# Altium PCB PCB_3_3G_wireless.PcbDoc (part 4 of 6) (continued)
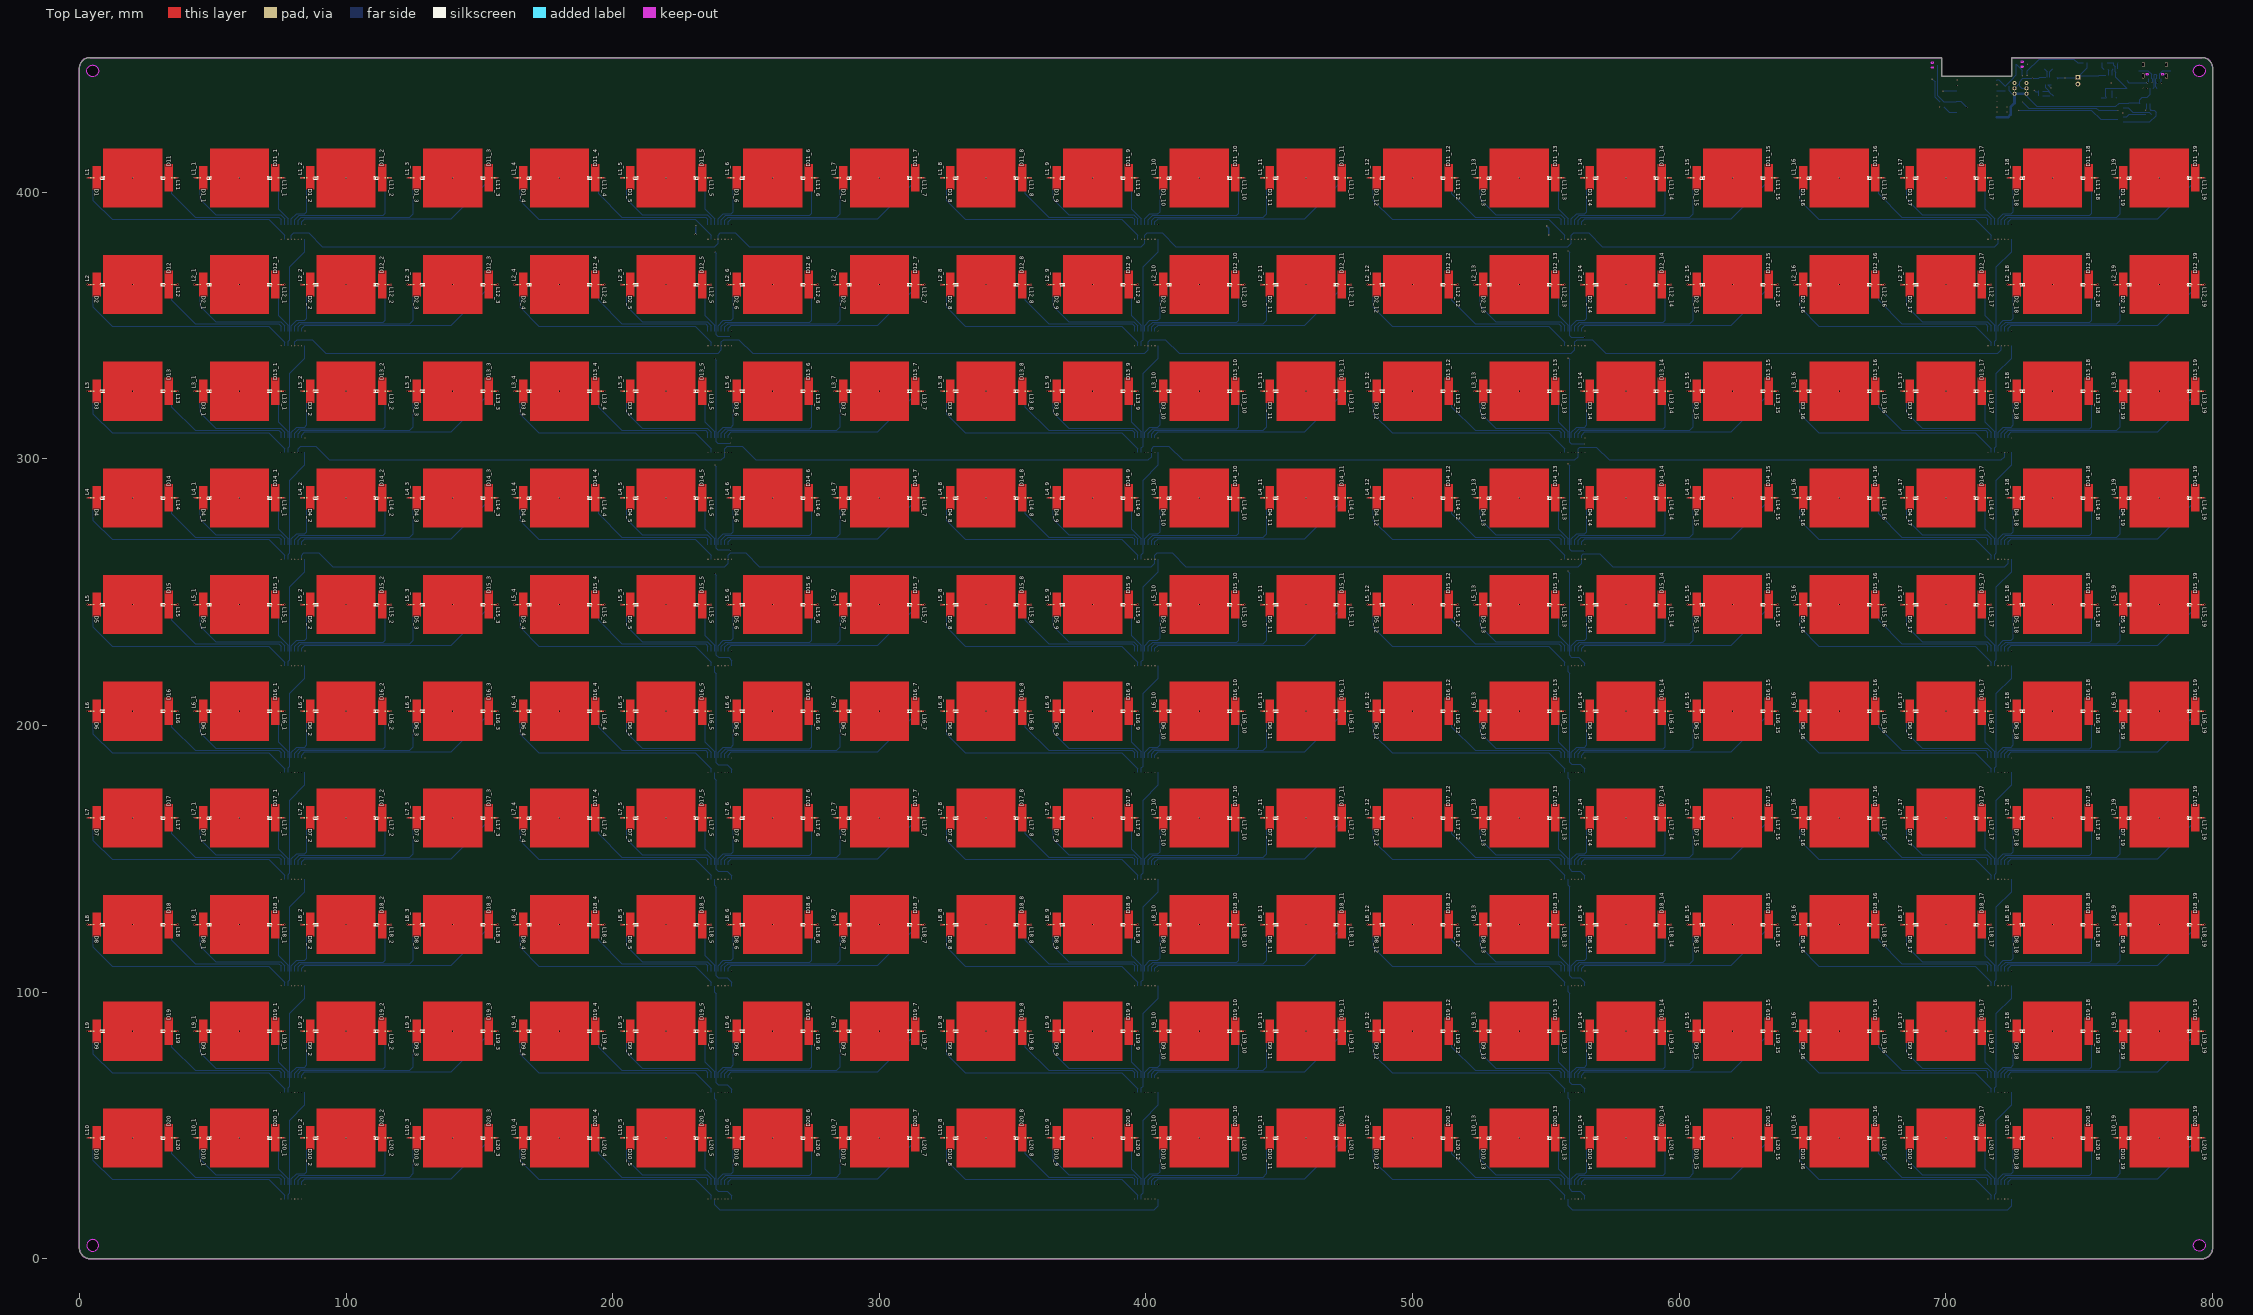
[diagram p0: Top Layer view]
## Nets (pads, with @x,y where several pads share a name; then routed paths per layer and width w, separated by ;. In a path a pad name is that pad's centre, name@x,y a point inside that pad or via, vN(x,y) a via of type N, cw(c..) or ccw(c..) an arc to the next point about the centre after c; other vN are vias at no path point) (continued)
NewNet672: BR2_3_5_5.2 L7_16.1 | length 1.2
  Bottom Layer w0.254: v1(643.1,165.308) BR2_3_5_5.2@644.276,165.308
NewNet673: BR2_3_5_4.2 L6_16.1 | length 1.2
  Bottom Layer w0.254: v1(643.1,205.308) BR2_3_5_4.2@644.276,205.308
NewNet674: BR2_3_5_3.2 L5_16.1 | length 1.2
  Bottom Layer w0.254: v1(643.1,245.308) BR2_3_5_3.2@644.276,245.308
NewNet675: BR2_3_5_2.2 L4_16.1 | length 1.2
  Bottom Layer w0.254: v1(643.1,285.308) BR2_3_5_2.2@644.276,285.308
NewNet676: BR2_3_5_1.2 L3_16.1 | length 1.2
  Bottom Layer w0.254: v1(643.1,325.308) BR2_3_5_1.2@644.276,325.308
NewNet677: BR2_3_5.2 L2_16.1 | length 1.2
  Bottom Layer w0.254: v1(643.1,365.308) BR2_3_5.2@644.276,365.308
NewNet678: BR2_3.2 L1_16.1 | length 1.2
  Bottom Layer w0.254: v1(643.1,405.308) BR2_3.2@644.276,405.308
NewNet679: D1_16.2 L1_16.2
NewNet680: D20_17.2 L20_17.2
NewNet681: D19_17.2 L19_17.2
NewNet682: D18_17.2 L18_17.2
NewNet683: D17_17.2 L17_17.2
NewNet684: D16_17.2 L16_17.2
NewNet685: D15_17.2 L15_17.2
NewNet686: D14_17.2 L14_17.2
NewNet687: D13_17.2 L13_17.2
NewNet688: D12_17.2 L12_17.2
NewNet689: D11_17.2 L11_17.2
NewNet690: D10_17.2 L10_17.2
NewNet691: D9_17.2 L9_17.2
NewNet692: D8_17.2 L8_17.2
NewNet693: D7_17.2 L7_17.2
NewNet694: D6_17.2 L6_17.2
NewNet695: D5_17.2 L5_17.2
NewNet696: D4_17.2 L4_17.2
NewNet697: D3_17.2 L3_17.2
NewNet698: D2_17.2 L2_17.2
NewNet699: BR1_2_5_8.2 L20_17.1 | length 1.2
  Bottom Layer w0.254: BR1_2_5_8.2@715.723,45.308 v1(716.9,45.308)
NewNet700: BR1_2_5_7.2 L19_17.1 | length 1.2
  Bottom Layer w0.254: BR1_2_5_7.2@715.723,85.308 v1(716.9,85.308)
NewNet701: BR1_2_5_6.2 L18_17.1 | length 1.2
  Bottom Layer w0.254: BR1_2_5_6.2@715.723,125.308 v1(716.9,125.308)
NewNet702: BR1_2_5_5.2 L17_17.1 | length 1.2
  Bottom Layer w0.254: BR1_2_5_5.2@715.723,165.308 v1(716.9,165.308)
NewNet703: BR1_2_5_4.2 L16_17.1 | length 1.2
  Bottom Layer w0.254: BR1_2_5_4.2@715.723,205.308 v1(716.9,205.308)
NewNet704: BR1_2_5_3.2 L15_17.1 | length 1.2
  Bottom Layer w0.254: BR1_2_5_3.2@715.723,245.308 v1(716.9,245.308)
NewNet705: BR1_2_5_2.2 L14_17.1 | length 1.2
  Bottom Layer w0.254: BR1_2_5_2.2@715.723,285.308 v1(716.9,285.308)
NewNet706: BR1_2_5_1.2 L13_17.1 | length 1.2
  Bottom Layer w0.254: BR1_2_5_1.2@715.723,325.308 v1(716.9,325.308)
NewNet707: BR1_2_5.2 L12_17.1 | length 1.2
  Bottom Layer w0.254: BR1_2_5.2@715.723,365.308 v1(716.9,365.308)
NewNet708: BR1_2.2 L11_17.1 | length 1.2
  Bottom Layer w0.254: BR1_2.2@715.723,405.308 v1(716.9,405.308)
NewNet709: BR2_2_5_8.2 L10_17.1 | length 1.2
  Bottom Layer w0.254: v1(683.1,45.308) BR2_2_5_8.2@684.276,45.308
NewNet710: BR2_2_5_7.2 L9_17.1 | length 1.2
  Bottom Layer w0.254: v1(683.1,85.308) BR2_2_5_7.2@684.276,85.308
NewNet711: BR2_2_5_6.2 L8_17.1 | length 1.2
  Bottom Layer w0.254: v1(683.1,125.308) BR2_2_5_6.2@684.276,125.308
NewNet712: BR2_2_5_5.2 L7_17.1 | length 1.2
  Bottom Layer w0.254: v1(683.1,165.308) BR2_2_5_5.2@684.276,165.308
NewNet713: BR2_2_5_4.2 L6_17.1 | length 1.2
  Bottom Layer w0.254: v1(683.1,205.308) BR2_2_5_4.2@684.276,205.308
NewNet714: BR2_2_5_3.2 L5_17.1 | length 1.2
  Bottom Layer w0.254: v1(683.1,245.308) BR2_2_5_3.2@684.276,245.308
NewNet715: BR2_2_5_2.2 L4_17.1 | length 1.2
  Bottom Layer w0.254: v1(683.1,285.308) BR2_2_5_2.2@684.276,285.308
NewNet716: BR2_2_5_1.2 L3_17.1 | length 1.2
  Bottom Layer w0.254: v1(683.1,325.308) BR2_2_5_1.2@684.276,325.308
NewNet717: BR2_2_5.2 L2_17.1 | length 1.2
  Bottom Layer w0.254: v1(683.1,365.308) BR2_2_5.2@684.276,365.308
NewNet718: BR2_2.2 L1_17.1 | length 1.2
  Bottom Layer w0.254: v1(683.1,405.308) BR2_2.2@684.276,405.308
NewNet719: D1_17.2 L1_17.2
NewNet720: D20_18.2 L20_18.2
NewNet721: D19_18.2 L19_18.2
NewNet722: D18_18.2 L18_18.2
NewNet723: D17_18.2 L17_18.2
NewNet724: D16_18.2 L16_18.2
NewNet725: D15_18.2 L15_18.2
NewNet726: D14_18.2 L14_18.2
NewNet727: D13_18.2 L13_18.2
NewNet728: D12_18.2 L12_18.2
NewNet729: D11_18.2 L11_18.2
NewNet730: D10_18.2 L10_18.2
NewNet731: D9_18.2 L9_18.2
NewNet732: D8_18.2 L8_18.2
NewNet733: D7_18.2 L7_18.2
NewNet734: D6_18.2 L6_18.2
NewNet735: D5_18.2 L5_18.2
NewNet736: D4_18.2 L4_18.2
NewNet737: D3_18.2 L3_18.2
NewNet738: D2_18.2 L2_18.2
NewNet739: BR1_1_5_8.2 L20_18.1 | length 1.2
  Bottom Layer w0.254: BR1_1_5_8.2@755.723,45.308 v1(756.9,45.308)
NewNet740: BR1_1_5_7.2 L19_18.1 | length 1.2
  Bottom Layer w0.254: BR1_1_5_7.2@755.723,85.308 v1(756.9,85.308)
NewNet741: BR1_1_5_6.2 L18_18.1 | length 1.2
  Bottom Layer w0.254: BR1_1_5_6.2@755.723,125.308 v1(756.9,125.308)
NewNet742: BR1_1_5_5.2 L17_18.1 | length 1.2
  Bottom Layer w0.254: BR1_1_5_5.2@755.723,165.308 v1(756.9,165.308)
NewNet743: BR1_1_5_4.2 L16_18.1 | length 1.2
  Bottom Layer w0.254: BR1_1_5_4.2@755.723,205.308 v1(756.9,205.308)
NewNet744: BR1_1_5_3.2 L15_18.1 | length 1.2
  Bottom Layer w0.254: BR1_1_5_3.2@755.723,245.308 v1(756.9,245.308)
NewNet745: BR1_1_5_2.2 L14_18.1 | length 1.2
  Bottom Layer w0.254: BR1_1_5_2.2@755.723,285.308 v1(756.9,285.308)
NewNet746: BR1_1_5_1.2 L13_18.1 | length 1.2
  Bottom Layer w0.254: BR1_1_5_1.2@755.723,325.308 v1(756.9,325.308)
NewNet747: BR1_1_5.2 L12_18.1 | length 1.2
  Bottom Layer w0.254: BR1_1_5.2@755.723,365.308 v1(756.9,365.308)
NewNet748: BR1_1.2 L11_18.1 | length 1.2
  Bottom Layer w0.254: BR1_1.2@755.723,405.308 v1(756.9,405.308)
NewNet749: BR2_1_5_8.2 L10_18.1 | length 1.2
  Bottom Layer w0.254: v1(723.1,45.308) BR2_1_5_8.2@724.276,45.308
NewNet750: BR2_1_5_7.2 L9_18.1 | length 1.2
  Bottom Layer w0.254: v1(723.1,85.308) BR2_1_5_7.2@724.276,85.308
NewNet751: BR2_1_5_6.2 L8_18.1 | length 1.2
  Bottom Layer w0.254: v1(723.1,125.308) BR2_1_5_6.2@724.276,125.308
NewNet752: BR2_1_5_5.2 L7_18.1 | length 1.2
  Bottom Layer w0.254: v1(723.1,165.308) BR2_1_5_5.2@724.276,165.308
NewNet753: BR2_1_5_4.2 L6_18.1 | length 1.2
  Bottom Layer w0.254: v1(723.1,205.308) BR2_1_5_4.2@724.276,205.308
NewNet754: BR2_1_5_3.2 L5_18.1 | length 1.2
  Bottom Layer w0.254: v1(723.1,245.308) BR2_1_5_3.2@724.276,245.308
NewNet755: BR2_1_5_2.2 L4_18.1 | length 1.2
  Bottom Layer w0.254: v1(723.1,285.308) BR2_1_5_2.2@724.276,285.308
NewNet756: BR2_1_5_1.2 L3_18.1 | length 1.2
  Bottom Layer w0.254: v1(723.1,325.308) BR2_1_5_1.2@724.276,325.308
NewNet757: BR2_1_5.2 L2_18.1 | length 1.2
  Bottom Layer w0.254: v1(723.1,365.308) BR2_1_5.2@724.276,365.308
NewNet758: D1_18.2 L1_18.2
NewNet759: D20_19.2 L20_19.2
NewNet760: D19_19.2 L19_19.2
NewNet761: D18_19.2 L18_19.2
NewNet762: D17_19.2 L17_19.2
NewNet763: D16_19.2 L16_19.2
NewNet764: D15_19.2 L15_19.2
NewNet765: D14_19.2 L14_19.2
NewNet766: D13_19.2 L13_19.2
NewNet767: D12_19.2 L12_19.2
NewNet768: D11_19.2 L11_19.2
NewNet769: D10_19.2 L10_19.2
NewNet770: D9_19.2 L9_19.2
NewNet771: D8_19.2 L8_19.2
NewNet772: D7_19.2 L7_19.2
NewNet773: D6_19.2 L6_19.2
NewNet774: D5_19.2 L5_19.2
NewNet775: D4_19.2 L4_19.2
NewNet776: D3_19.2 L3_19.2
NewNet777: D2_19.2 L2_19.2
NewNet778: BR1_8_8.2 L20_19.1 | length 1.2
  Bottom Layer w0.254: BR1_8_8.2@795.723,45.308 v1(796.9,45.308)
NewNet779: BR1_8_7.2 L19_19.1 | length 1.2
  Bottom Layer w0.254: BR1_8_7.2@795.723,85.308 v1(796.9,85.308)
NewNet780: BR1_8_6.2 L18_19.1 | length 1.2
  Bottom Layer w0.254: BR1_8_6.2@795.723,125.308 v1(796.9,125.308)
NewNet781: BR1_8_5.2 L17_19.1 | length 1.2
  Bottom Layer w0.254: BR1_8_5.2@795.723,165.308 v1(796.9,165.308)
NewNet782: BR1_8_4.2 L16_19.1 | length 1.2
  Bottom Layer w0.254: BR1_8_4.2@795.723,205.308 v1(796.9,205.308)
NewNet783: BR1_8_3.2 L15_19.1 | length 1.2
  Bottom Layer w0.254: BR1_8_3.2@795.723,245.308 v1(796.9,245.308)
NewNet784: BR1_8_2.2 L14_19.1 | length 1.2
  Bottom Layer w0.254: BR1_8_2.2@795.723,285.308 v1(796.9,285.308)
NewNet785: BR1_8_1.2 L13_19.1 | length 1.2
  Bottom Layer w0.254: BR1_8_1.2@795.723,325.308 v1(796.9,325.308)
NewNet786: BR1_8.2 L12_19.1 | length 1.2
  Bottom Layer w0.254: BR1_8.2@795.723,365.308 v1(796.9,365.308)
NewNet787: BR1.2 L11_19.1 | length 1.2
  Bottom Layer w0.254: BR1.2@795.723,405.308 v1(796.9,405.308)
NewNet788: BR2_8_8.2 L10_19.1 | length 1.2
  Bottom Layer w0.254: v1(763.1,45.308) BR2_8_8.2@764.276,45.308
NewNet789: BR2_8_7.2 L9_19.1 | length 1.2
  Bottom Layer w0.254: v1(763.1,85.308) BR2_8_7.2@764.276,85.308
NewNet790: BR2_8_6.2 L8_19.1 | length 1.2
  Bottom Layer w0.254: v1(763.1,125.308) BR2_8_6.2@764.276,125.308
NewNet791: BR2_8_5.2 L7_19.1 | length 1.2
  Bottom Layer w0.254: v1(763.1,165.308) BR2_8_5.2@764.276,165.308
NewNet792: BR2_8_4.2 L6_19.1 | length 1.2
  Bottom Layer w0.254: v1(763.1,205.308) BR2_8_4.2@764.276,205.308
NewNet793: BR2_8_3.2 L5_19.1 | length 1.2
  Bottom Layer w0.254: v1(763.1,245.308) BR2_8_3.2@764.276,245.308
NewNet794: BR2_8_2.2 L4_19.1 | length 1.2
  Bottom Layer w0.254: v1(763.1,285.308) BR2_8_2.2@764.276,285.308
NewNet795: BR2_8_1.2 L3_19.1 | length 1.2
  Bottom Layer w0.254: v1(763.1,325.308) BR2_8_1.2@764.276,325.308
NewNet796: BR2_8.2 L2_19.1 | length 1.2
  Bottom Layer w0.254: v1(763.1,365.308) BR2_8.2@764.276,365.308
NewNet797: BR2.2 L1_19.1 | length 1.2
  Bottom Layer w0.254: v1(763.1,405.308) BR2.2@764.276,405.308
NewNet798: D1_19.2 L1_19.2
NewNet799: BR1_3_8_3.1 U6_8_3.1 | length 52.9
  Bottom Layer w0.254: BR1_3_8_3.1@194.723,245.308 194.723,239.341 203.438,230.627 234.858,230.627 235.721,229.763 U6_8_3.1@235.721,227.8
NewNet800: BR2_2_8_3.1 U6_8_3.2 | length 44.9
  Bottom Layer w0.254: BR2_2_8_3.1@205.276,245.308 205.276,237.221 211.083,231.414 235.493,231.414 236.991,229.915 U6_8_3.2@236.991,227.8
NewNet801: BR1_2_8_3.1 U6_8_3.3 | length 19
  Bottom Layer w0.254: BR1_2_8_3.1@234.723,245.308 234.723,233.58 238.261,230.042 U6_8_3.3@238.261,227.8
NewNet802: BR2_1_8_3.1 U6_8_3.4 | length 21.6
  Bottom Layer w0.254: U6_8_3.4@239.531,227.8 239.531,229.915 241.487,231.871 244.484,231.871 245.276,232.663 BR2_1_8_3.1@245.276,245.308
NewNet803: BR1_1_8_3.1 U6_8_3.5 | length 50
  Bottom Layer w0.254: U6_8_3.5@240.801,227.8 240.801,229.585 242.452,231.236 273.974,231.236 274.723,231.986 BR1_1_8_3.1@274.723,245.308
NewNet804: BR2_11_3.1 U6_8_3.6 | length 59.2
  Bottom Layer w0.254: U6_8_3.6@242.071,227.8 242.071,229.407 243.29,230.627 283.956,230.627 285.276,231.947 BR2_11_3.1@285.276,245.308
NewNet805: BR1_11_3.1 U6_8_3.7 | length 79.3
  Bottom Layer w0.254: U6_8_3.7@243.341,227.8 243.341,228.874 244.51,230.042 299.458,230.042 BR1_11_3.1@314.723,245.308
NewNet806: BR2_3_8_3.1 U6_8_3.15 | length 87.1
  Bottom Layer w0.254: BR2_3_8_3.1@165.276,245.308 165.276,236.759 172.297,229.738 230.971,229.738 236.991,223.718 U6_8_3.15@236.991,222.328
NewNet807: U6_8_3.14 U6_8_4.9 | length 44.5
  Bottom Layer w0.254: U6_8_3.14@238.261,222.254 238.261,220.002 238.902,219.362 238.902,186.062 239.664,185.3 242.889,185.3 244.611,183.578 U6_8_4.9@244.611,182.328 U6_8_4.9@244.611,182.254
NewNet808: U6_8_2.14 U6_8_3.9 | length 44.8
  S2 w0.254: v2(238.261,256.937) v2(238.261,262.328)
  Bottom Layer w0.254: v2(238.261,256.937) 238.887,256.311 238.887,226.365 239.776,225.476 243.459,225.476 244.611,224.324 U6_8_3.9@244.611,222.328
NewNet809: BR1_3_5_8.1 U6_5_8.1 | length 52.9
  Bottom Layer w0.254: BR1_3_5_8.1@674.723,45.308 674.723,39.341 683.438,30.627 714.858,30.627 715.721,29.763 U6_5_8.1@715.721,27.8
NewNet810: BR2_2_5_8.1 U6_5_8.2 | length 44.9
  Bottom Layer w0.254: BR2_2_5_8.1@685.276,45.308 685.276,37.221 691.083,31.414 715.493,31.414 716.991,29.915 U6_5_8.2@716.991,27.8
NewNet811: BR1_2_5_8.1 U6_5_8.3 | length 19
  Bottom Layer w0.254: BR1_2_5_8.1@714.723,45.308 714.723,33.58 718.261,30.042 U6_5_8.3@718.261,27.8
NewNet812: BR2_1_5_8.1 U6_5_8.4 | length 21.6
  Bottom Layer w0.254: U6_5_8.4@719.531,27.8 719.531,29.915 721.487,31.871 724.484,31.871 725.276,32.663 BR2_1_5_8.1@725.276,45.308
NewNet813: BR1_1_5_8.1 U6_5_8.5 | length 50
  Bottom Layer w0.254: U6_5_8.5@720.801,27.8 720.801,29.585 722.452,31.236 753.974,31.236 754.723,31.986 BR1_1_5_8.1@754.723,45.308
NewNet814: BR2_8_8.1 U6_5_8.6 | length 59.2
  Bottom Layer w0.254: U6_5_8.6@722.071,27.8 722.071,29.407 723.29,30.627 763.956,30.627 765.276,31.947 BR2_8_8.1@765.276,45.308
NewNet815: BR1_8_8.1 U6_5_8.7 | length 79.3
  Bottom Layer w0.254: U6_5_8.7@723.341,27.8 723.341,28.874 724.51,30.042 779.458,30.042 BR1_8_8.1@794.723,45.308
NewNet816: BR2_3_5_8.1 U6_5_8.15 | length 87.1
  Bottom Layer w0.254: BR2_3_5_8.1@645.276,45.308 645.276,36.759 652.297,29.738 710.971,29.738 716.991,23.718 U6_5_8.15@716.991,22.328
NewNet817: U6_5_7.9 U6_5_8.14 | length 42.6
  Bottom Layer w0.254: U6_5_8.14@718.261,22.328 718.261,24.043 718.896,24.678 718.896,51.958 724.611,57.673 U6_5_7.9@724.611,62.328
NewNet818: U6_5_8.9 U6_6_8.14 | length 172.5
  Bottom Layer w0.254: U6_6_8.14@558.261,22.328 558.261,19.894 559.765,18.39 723.113,18.39 724.611,19.888 U6_5_8.9@724.611,22.328
NewNet819: BR1_3_6_8.1 U6_6_8.1 | length 52.9
  Bottom Layer w0.254: BR1_3_6_8.1@514.723,45.308 514.723,39.341 523.438,30.627 554.858,30.627 555.721,29.763 U6_6_8.1@555.721,27.8
NewNet820: BR2_2_6_8.1 U6_6_8.2 | length 44.9
  Bottom Layer w0.254: BR2_2_6_8.1@525.276,45.308 525.276,37.221 531.083,31.414 555.493,31.414 556.991,29.915 U6_6_8.2@556.991,27.8
NewNet821: BR1_2_6_8.1 U6_6_8.3 | length 19
  Bottom Layer w0.254: BR1_2_6_8.1@554.723,45.308 554.723,33.58 558.261,30.042 U6_6_8.3@558.261,27.8
NewNet822: BR2_1_6_8.1 U6_6_8.4 | length 21.6
  Bottom Layer w0.254: U6_6_8.4@559.531,27.8 559.531,29.915 561.487,31.871 564.484,31.871 565.276,32.663 BR2_1_6_8.1@565.276,45.308
NewNet823: BR1_1_6_8.1 U6_6_8.5 | length 50
  Bottom Layer w0.254: U6_6_8.5@560.801,27.8 560.801,29.585 562.452,31.236 593.974,31.236 594.723,31.986 BR1_1_6_8.1@594.723,45.308
NewNet824: BR2_9_8.1 U6_6_8.6 | length 59.2
  Bottom Layer w0.254: U6_6_8.6@562.071,27.8 562.071,29.407 563.29,30.627 603.956,30.627 605.276,31.947 BR2_9_8.1@605.276,45.308
NewNet825: BR1_9_8.1 U6_6_8.7 | length 79.3
  Bottom Layer w0.254: U6_6_8.7@563.341,27.8 563.341,28.874 564.51,30.042 619.458,30.042 BR1_9_8.1@634.723,45.308
NewNet826: BR2_3_6_8.1 U6_6_8.15 | length 87.1
  Bottom Layer w0.254: BR2_3_6_8.1@485.276,45.308 485.276,36.759 492.297,29.738 550.971,29.738 556.991,23.718 U6_6_8.15@556.991,22.328
NewNet827: U6_6_7.14 U6_6_8.9 | length 44.5
  Bottom Layer w0.254: U6_6_7.14@558.261,62.328 558.261,60.076 558.902,59.436 558.902,26.137 559.664,25.375 562.889,25.375 564.611,23.653 U6_6_8.9@564.611,22.328
NewNet828: BR1_3_7_8.1 U6_7_8.1 | length 52.9
  Bottom Layer w0.254: BR1_3_7_8.1@354.723,45.308 354.723,39.341 363.438,30.627 394.858,30.627 395.721,29.763 U6_7_8.1@395.721,27.8
NewNet829: BR2_2_7_8.1 U6_7_8.2 | length 44.9
  Bottom Layer w0.254: BR2_2_7_8.1@365.276,45.308 365.276,37.221 371.083,31.414 395.493,31.414 396.991,29.915 U6_7_8.2@396.991,27.8
NewNet830: BR1_2_7_8.1 U6_7_8.3 | length 19
  Bottom Layer w0.254: BR1_2_7_8.1@394.723,45.308 394.723,33.58 398.261,30.042 U6_7_8.3@398.261,27.8
NewNet831: BR2_1_7_8.1 U6_7_8.4 | length 21.6
  Bottom Layer w0.254: U6_7_8.4@399.531,27.8 399.531,29.915 401.487,31.871 404.484,31.871 405.276,32.663 BR2_1_7_8.1@405.276,45.308
NewNet832: BR1_1_7_8.1 U6_7_8.5 | length 50
  Bottom Layer w0.254: U6_7_8.5@400.801,27.8 400.801,29.585 402.452,31.236 433.974,31.236 434.723,31.986 BR1_1_7_8.1@434.723,45.308
NewNet833: BR2_10_8.1 U6_7_8.6 | length 59.2
  Bottom Layer w0.254: U6_7_8.6@402.071,27.8 402.071,29.407 403.29,30.627 443.956,30.627 445.276,31.947 BR2_10_8.1@445.276,45.308
NewNet834: BR1_10_8.1 U6_7_8.7 | length 79.3
  Bottom Layer w0.254: U6_7_8.7@403.341,27.8 403.341,28.874 404.51,30.042 459.458,30.042 BR1_10_8.1@474.723,45.308
NewNet835: BR2_3_7_8.1 U6_7_8.15 | length 87.1
  Bottom Layer w0.254: BR2_3_7_8.1@325.276,45.308 325.276,36.759 332.297,29.738 390.971,29.738 396.991,23.718 U6_7_8.15@396.991,22.328
NewNet836: U6_7_7.9 U6_7_8.14 | length 42.6
  Bottom Layer w0.254: U6_7_8.14@398.261,22.328 398.261,24.043 398.896,24.678 398.896,51.958 404.611,57.673 U6_7_7.9@404.611,62.328
NewNet837: U6_7_8.9 U6_8_8.14 | length 172.4
  Bottom Layer w0.254: v2(238.261,22.328) 238.261,20.184 240.106,18.339 403.149,18.339 404.611,19.801 U6_7_8.9@404.611,22.328
NewNet838: BR1_3_8_8.1 U6_8_8.1 | length 52.9
  Bottom Layer w0.254: BR1_3_8_8.1@194.723,45.308 194.723,39.341 203.438,30.627 234.858,30.627 235.721,29.763 U6_8_8.1@235.721,27.8
NewNet839: BR2_2_8_8.1 U6_8_8.2 | length 44.9
  Bottom Layer w0.254: BR2_2_8_8.1@205.276,45.308 205.276,37.221 211.083,31.414 235.493,31.414 236.991,29.915 U6_8_8.2@236.991,27.8
NewNet840: BR1_2_8_8.1 U6_8_8.3 | length 19
  Bottom Layer w0.254: BR1_2_8_8.1@234.723,45.308 234.723,33.58 238.261,30.042 U6_8_8.3@238.261,27.8
NewNet841: BR2_1_8_8.1 U6_8_8.4 | length 21.6
  Bottom Layer w0.254: U6_8_8.4@239.531,27.8 239.531,29.915 241.487,31.871 244.484,31.871 245.276,32.663 BR2_1_8_8.1@245.276,45.308
NewNet842: BR1_1_8_8.1 U6_8_8.5 | length 50
  Bottom Layer w0.254: U6_8_8.5@240.801,27.8 240.801,29.585 242.452,31.236 273.974,31.236 274.723,31.986 BR1_1_8_8.1@274.723,45.308
NewNet843: BR2_11_8.1 U6_8_8.6 | length 59.2
  Bottom Layer w0.254: U6_8_8.6@242.071,27.8 242.071,29.407 243.29,30.627 283.956,30.627 285.276,31.947 BR2_11_8.1@285.276,45.308
NewNet844: BR1_11_8.1 U6_8_8.7 | length 79.3
  Bottom Layer w0.254: U6_8_8.7@243.341,27.8 243.341,28.874 244.51,30.042 299.458,30.042 BR1_11_8.1@314.723,45.308
NewNet845: BR2_3_8_8.1 U6_8_8.15 | length 87.1
  Bottom Layer w0.254: BR2_3_8_8.1@165.276,45.308 165.276,36.759 172.297,29.738 230.971,29.738 236.991,23.718 U6_8_8.15@236.991,22.328
NewNet846: U6_8_7.14 U6_8_8.9 | length 44.5
  Bottom Layer w0.254: U6_8_7.14@238.261,62.254 238.261,60.002 238.902,59.362 238.902,26.062 239.664,25.3 242.889,25.3 244.611,23.578 U6_8_8.9@244.611,22.328 U6_8_8.9@244.611,22.254
NewNet847: BR1_3_9_8.1 U6_9_8.1 | length 52.9
  Bottom Layer w0.254: BR1_3_9_8.1@34.723,45.308 34.723,39.341 43.438,30.627 74.858,30.627 75.721,29.763 U6_9_8.1@75.721,27.8
NewNet848: BR2_2_9_8.1 U6_9_8.2 | length 44.9
  Bottom Layer w0.254: BR2_2_9_8.1@45.276,45.308 45.276,37.221 51.083,31.414 75.493,31.414 76.991,29.915 U6_9_8.2@76.991,27.8
NewNet849: BR1_2_9_8.1 U6_9_8.3 | length 19
  Bottom Layer w0.254: BR1_2_9_8.1@74.723,45.308 74.723,33.58 78.261,30.042 U6_9_8.3@78.261,27.8
NewNet850: BR2_1_9_8.1 U6_9_8.4 | length 21.6
  Bottom Layer w0.254: U6_9_8.4@79.531,27.8 79.531,29.915 81.487,31.871 84.484,31.871 85.276,32.663 BR2_1_9_8.1@85.276,45.308
NewNet851: BR1_1_9_8.1 U6_9_8.5 | length 50
  Bottom Layer w0.254: U6_9_8.5@80.801,27.8 80.801,29.585 82.452,31.236 113.974,31.236 114.723,31.986 BR1_1_9_8.1@114.723,45.308
NewNet852: BR2_12_8.1 U6_9_8.6 | length 59.2
  Bottom Layer w0.254: U6_9_8.6@82.071,27.8 82.071,29.407 83.29,30.627 123.956,30.627 125.276,31.947 BR2_12_8.1@125.276,45.308
NewNet853: BR1_12_8.1 U6_9_8.7 | length 79.3
  Bottom Layer w0.254: U6_9_8.7@83.341,27.8 83.341,28.874 84.51,30.042 139.458,30.042 BR1_12_8.1@154.723,45.308
NewNet854: BR2_3_9_8.1 U6_9_8.15 | length 87.1
  Bottom Layer w0.254: BR2_3_9_8.1@5.276,45.308 5.276,36.759 12.297,29.738 70.971,29.738 76.991,23.718 U6_9_8.15@76.991,22.328
NewNet855: U6_9_7.9 U6_9_8.14 | length 42.6
  Bottom Layer w0.254: U6_9_8.14@78.261,22.328 78.261,24.043 78.896,24.678 78.896,51.958 84.611,57.673 U6_9_7.9@84.611,62.328
NewNet856: BR1_3_5_7.1 U6_5_7.1 | length 52.9
  Bottom Layer w0.254: BR1_3_5_7.1@674.723,85.308 674.723,79.341 683.438,70.627 714.858,70.627 715.721,69.763 U6_5_7.1@715.721,67.8
NewNet857: BR2_2_5_7.1 U6_5_7.2 | length 44.9
  Bottom Layer w0.254: BR2_2_5_7.1@685.276,85.308 685.276,77.221 691.083,71.414 715.493,71.414 716.991,69.915 U6_5_7.2@716.991,67.8
NewNet858: BR1_2_5_7.1 U6_5_7.3 | length 19
  Bottom Layer w0.254: BR1_2_5_7.1@714.723,85.308 714.723,73.58 718.261,70.042 U6_5_7.3@718.261,67.8
NewNet859: BR2_1_5_7.1 U6_5_7.4 | length 21.6
  Bottom Layer w0.254: U6_5_7.4@719.531,67.8 719.531,69.915 721.487,71.871 724.484,71.871 725.276,72.663 BR2_1_5_7.1@725.276,85.308
NewNet860: BR1_1_5_7.1 U6_5_7.5 | length 50
  Bottom Layer w0.254: U6_5_7.5@720.801,67.8 720.801,69.585 722.452,71.236 753.974,71.236 754.723,71.986 BR1_1_5_7.1@754.723,85.308
NewNet861: BR2_8_7.1 U6_5_7.6 | length 59.2
  Bottom Layer w0.254: U6_5_7.6@722.071,67.8 722.071,69.407 723.29,70.627 763.956,70.627 765.276,71.947 BR2_8_7.1@765.276,85.308
NewNet862: BR1_8_7.1 U6_5_7.7 | length 79.3
  Bottom Layer w0.254: U6_5_7.7@723.341,67.8 723.341,68.874 724.51,70.042 779.458,70.042 BR1_8_7.1@794.723,85.308
NewNet863: BR2_3_5_7.1 U6_5_7.15 | length 87.1
  Bottom Layer w0.254: BR2_3_5_7.1@645.276,85.308 645.276,76.759 652.297,69.738 710.971,69.738 716.991,63.718 U6_5_7.15@716.991,62.328
NewNet864: U6_5_6.9 U6_5_7.14 | length 42.6
  Bottom Layer w0.254: U6_5_7.14@718.261,62.328 718.261,64.043 718.896,64.678 718.896,91.958 724.611,97.673 U6_5_6.9@724.611,102.328
NewNet865: BR1_3_6_7.1 U6_6_7.1 | length 52.9
  Bottom Layer w0.254: BR1_3_6_7.1@514.723,85.308 514.723,79.341 523.438,70.627 554.858,70.627 555.721,69.763 U6_6_7.1@555.721,67.8
NewNet866: BR2_2_6_7.1 U6_6_7.2 | length 44.9
  Bottom Layer w0.254: BR2_2_6_7.1@525.276,85.308 525.276,77.221 531.083,71.414 555.493,71.414 556.991,69.915 U6_6_7.2@556.991,67.8
NewNet867: BR1_2_6_7.1 U6_6_7.3 | length 19
  Bottom Layer w0.254: BR1_2_6_7.1@554.723,85.308 554.723,73.58 558.261,70.042 U6_6_7.3@558.261,67.8
NewNet868: BR2_1_6_7.1 U6_6_7.4 | length 21.6
  Bottom Layer w0.254: U6_6_7.4@559.531,67.8 559.531,69.915 561.487,71.871 564.484,71.871 565.276,72.663 BR2_1_6_7.1@565.276,85.308
NewNet869: BR1_1_6_7.1 U6_6_7.5 | length 50
  Bottom Layer w0.254: U6_6_7.5@560.801,67.8 560.801,69.585 562.452,71.236 593.974,71.236 594.723,71.986 BR1_1_6_7.1@594.723,85.308
NewNet870: BR2_9_7.1 U6_6_7.6 | length 59.2
  Bottom Layer w0.254: U6_6_7.6@562.071,67.8 562.071,69.407 563.29,70.627 603.956,70.627 605.276,71.947 BR2_9_7.1@605.276,85.308
NewNet871: BR1_9_7.1 U6_6_7.7 | length 79.3
  Bottom Layer w0.254: U6_6_7.7@563.341,67.8 563.341,68.874 564.51,70.042 619.458,70.042 BR1_9_7.1@634.723,85.308
NewNet872: BR2_3_6_7.1 U6_6_7.15 | length 87.1
  Bottom Layer w0.254: BR2_3_6_7.1@485.276,85.308 485.276,76.759 492.297,69.738 550.971,69.738 556.991,63.718 U6_6_7.15@556.991,62.328
NewNet873: U6_6_6.14 U6_6_7.9 | length 44.5
  Bottom Layer w0.254: U6_6_6.14@558.261,102.328 558.261,100.076 558.902,99.436 558.902,66.137 559.664,65.375 562.889,65.375 564.611,63.653 U6_6_7.9@564.611,62.328
NewNet874: BR1_3_7_7.1 U6_7_7.1 | length 52.9
  Bottom Layer w0.254: BR1_3_7_7.1@354.723,85.308 354.723,79.341 363.438,70.627 394.858,70.627 395.721,69.763 U6_7_7.1@395.721,67.8
NewNet875: BR2_2_7_7.1 U6_7_7.2 | length 44.9
  Bottom Layer w0.254: BR2_2_7_7.1@365.276,85.308 365.276,77.221 371.083,71.414 395.493,71.414 396.991,69.915 U6_7_7.2@396.991,67.8
NewNet876: BR1_2_7_7.1 U6_7_7.3 | length 19
  Bottom Layer w0.254: BR1_2_7_7.1@394.723,85.308 394.723,73.58 398.261,70.042 U6_7_7.3@398.261,67.8
NewNet877: BR2_1_7_7.1 U6_7_7.4 | length 21.6
  Bottom Layer w0.254: U6_7_7.4@399.531,67.8 399.531,69.915 401.487,71.871 404.484,71.871 405.276,72.663 BR2_1_7_7.1@405.276,85.308
NewNet878: BR1_1_7_7.1 U6_7_7.5 | length 50
  Bottom Layer w0.254: U6_7_7.5@400.801,67.8 400.801,69.585 402.452,71.236 433.974,71.236 434.723,71.986 BR1_1_7_7.1@434.723,85.308
NewNet879: BR2_10_7.1 U6_7_7.6 | length 59.2
  Bottom Layer w0.254: U6_7_7.6@402.071,67.8 402.071,69.407 403.29,70.627 443.956,70.627 445.276,71.947 BR2_10_7.1@445.276,85.308
NewNet880: BR1_10_7.1 U6_7_7.7 | length 79.3
  Bottom Layer w0.254: U6_7_7.7@403.341,67.8 403.341,68.874 404.51,70.042 459.458,70.042 BR1_10_7.1@474.723,85.308
NewNet881: BR2_3_7_7.1 U6_7_7.15 | length 87.1
  Bottom Layer w0.254: BR2_3_7_7.1@325.276,85.308 325.276,76.759 332.297,69.738 390.971,69.738 396.991,63.718 U6_7_7.15@396.991,62.328
NewNet882: U6_7_6.9 U6_7_7.14 | length 42.6
  Bottom Layer w0.254: U6_7_7.14@398.261,62.328 398.261,64.043 398.896,64.678 398.896,91.958 404.611,97.673 U6_7_6.9@404.611,102.328
NewNet883: BR1_3_8_7.1 U6_8_7.1 | length 52.9
  Bottom Layer w0.254: BR1_3_8_7.1@194.723,85.308 194.723,79.341 203.438,70.627 234.858,70.627 235.721,69.763 U6_8_7.1@235.721,67.8
NewNet884: BR2_2_8_7.1 U6_8_7.2 | length 44.9
  Bottom Layer w0.254: BR2_2_8_7.1@205.276,85.308 205.276,77.221 211.083,71.414 235.493,71.414 236.991,69.915 U6_8_7.2@236.991,67.8
NewNet885: BR1_2_8_7.1 U6_8_7.3 | length 19
  Bottom Layer w0.254: BR1_2_8_7.1@234.723,85.308 234.723,73.58 238.261,70.042 U6_8_7.3@238.261,67.8
NewNet886: BR2_1_8_7.1 U6_8_7.4 | length 21.6
  Bottom Layer w0.254: U6_8_7.4@239.531,67.8 239.531,69.915 241.487,71.871 244.484,71.871 245.276,72.663 BR2_1_8_7.1@245.276,85.308
NewNet887: BR1_1_8_7.1 U6_8_7.5 | length 50
  Bottom Layer w0.254: U6_8_7.5@240.801,67.8 240.801,69.585 242.452,71.236 273.974,71.236 274.723,71.986 BR1_1_8_7.1@274.723,85.308
NewNet888: BR2_11_7.1 U6_8_7.6 | length 59.2
  Bottom Layer w0.254: U6_8_7.6@242.071,67.8 242.071,69.407 243.29,70.627 283.956,70.627 285.276,71.947 BR2_11_7.1@285.276,85.308